# KiCad board MAXI030.kicad_pcb (continued)
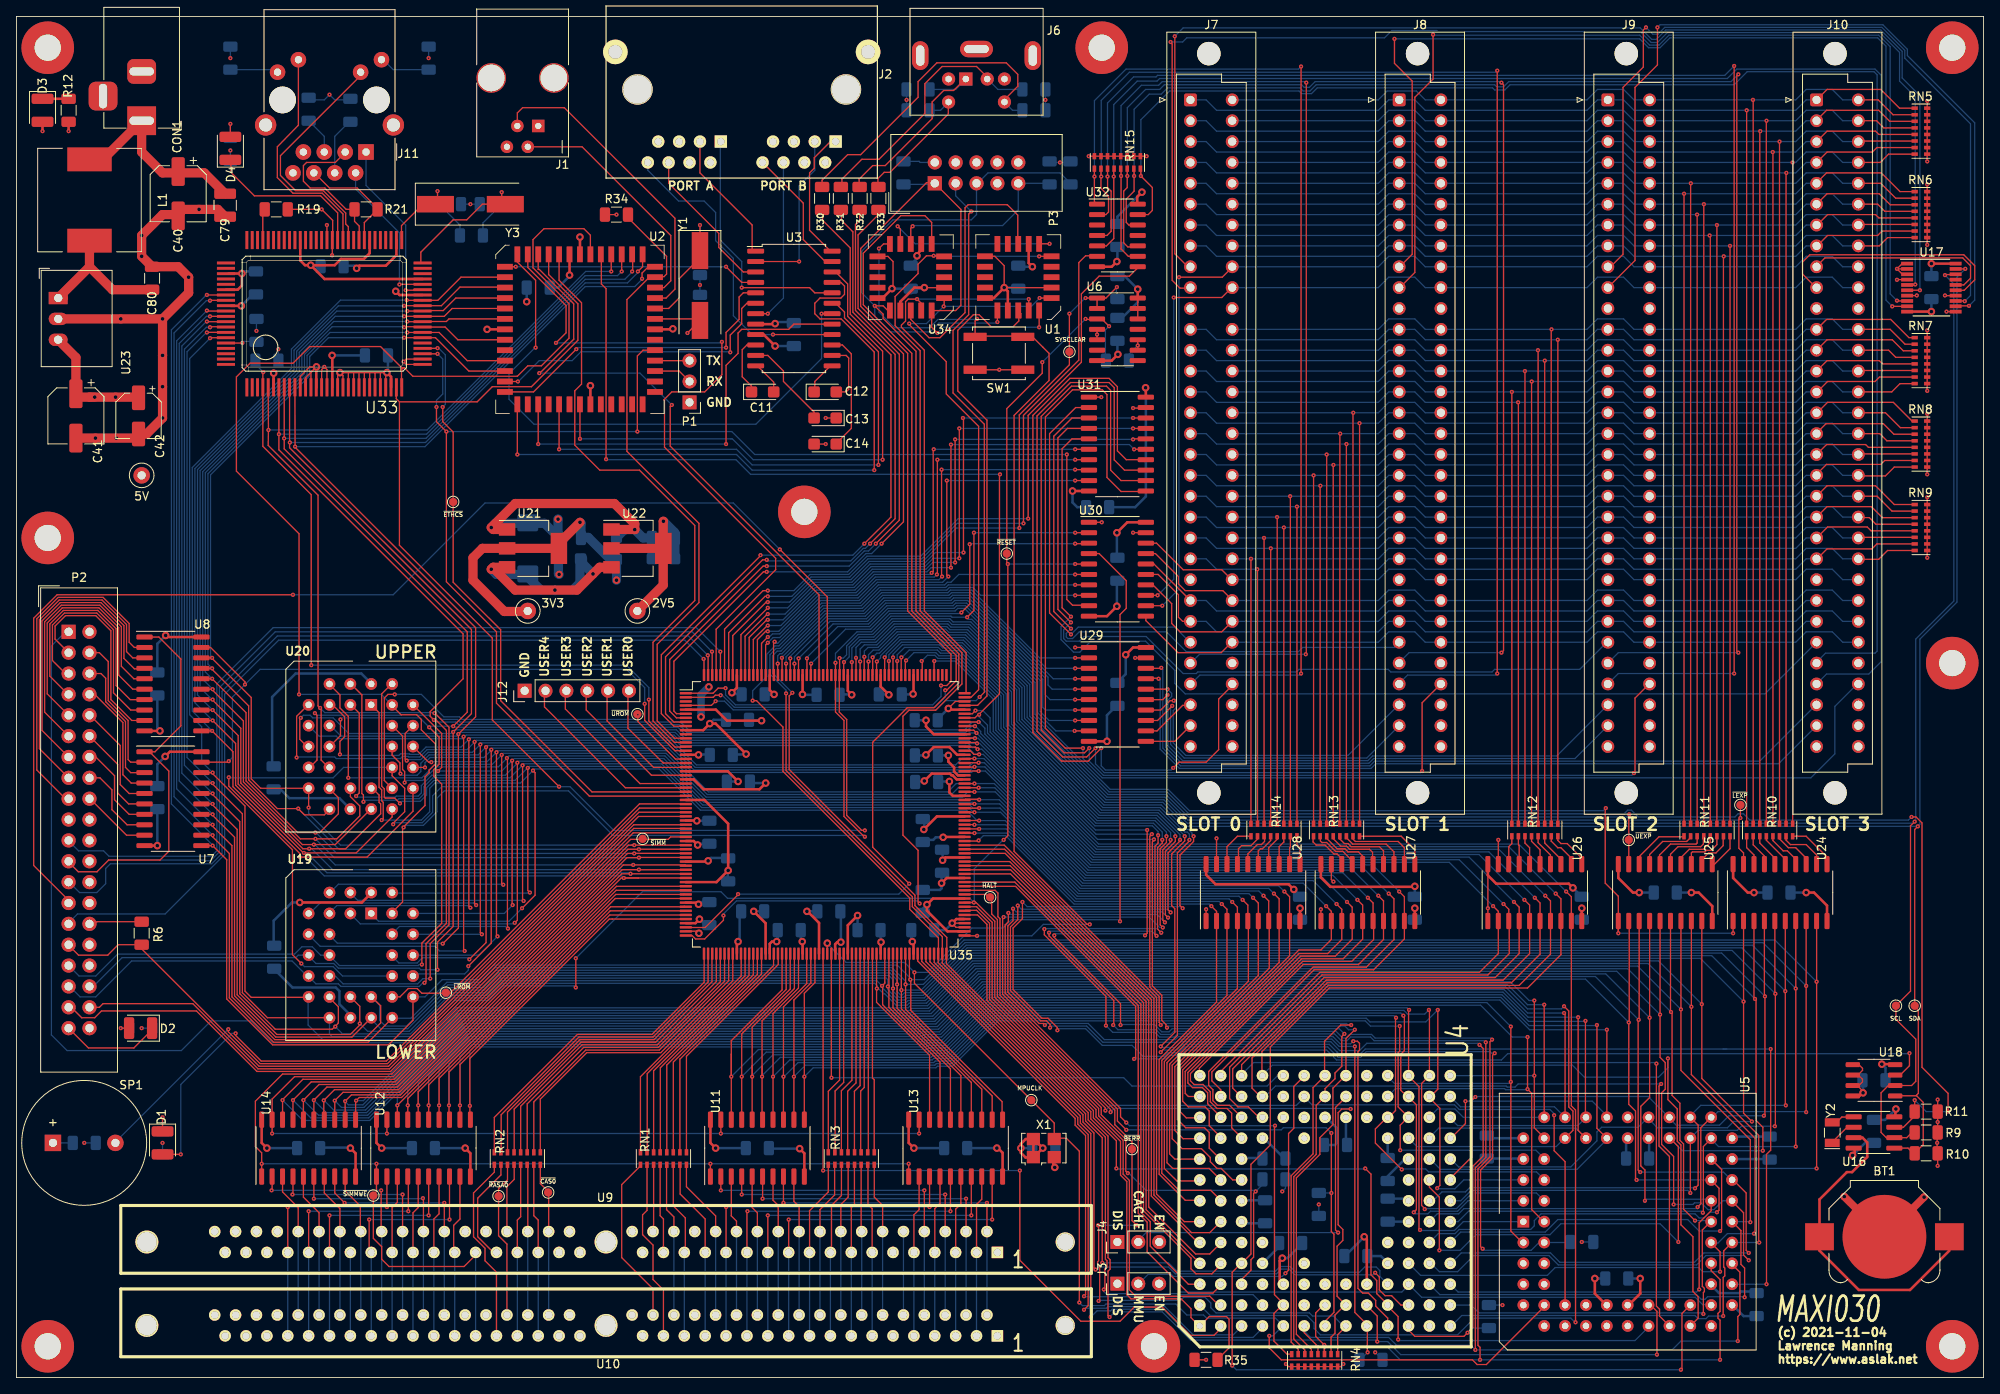
[diagram p0: board, top side]
## Routing (per net, layer and track width the routed paths; a pad name or vN(x,y) marks a point on that pad's centre or on a via; arc(x,y) is an arc through that point) (continued)
  Top w0.152: RN2.9 58.16,25.01 55.63,22.48 55.63,17.15 57.02,15.75 57.02,14.22 58.42,12.83 U10.45
~{RASA2}: length 20.7
  Top w0.152: U10.34 77.47,10.8 73.66,14.61 73.66,23.5 75.95,25.78
~{RASA3}: length 22.1
  Top w0.152: RN1.10 76.74,20.35 76.2,19.81 76.2,17.4 77.47,16.13 77.47,11.94 78.74,10.67 U10.33
~{RASB0}: length 8.5
  Top w0.152: 60.58,25.91 60.58,24.13 59.69,23.24 U9.44
~{RASB1}: length 13.1
  Top w0.152: RN2.10 58.96,24.67 56.13,21.84 56.13,17.15 58.17,15.11 58.42,15.11
~{RASB2}: length 8
  Top w0.152: RN1.11 77.54,18.23 77.34,18.03
~{RASB3}: length 11
  Top w0.152: 78.74,15.11 78.74,19.3 78.34,19.7 RN1.12
~{READ}: length 411.1
  Top w0.152: v1(66.04,71.95) 57.91,80.07 57.91,90.04 46.61,101.35 46.61,118.81 ; v1(45.85,67.37) 45.85,67.5 47.24,68.9 47.24,71.75 45.72,73.28 U20.24 ; v1(115.7,92.58) 116.52,93.41 v1(116.52,102.87) ; v1(208.92,54.1) 208.92,55.56 ; v1(25.84,73.09) 25.84,72.01 33.59,64.26 33.59,51.5 v1(34.67,50.42) ; 46.61,118.81 56.07,118.81 57.91,120.65 62.67,120.65 68.33,126.3 68.33,130.75 64.77,134.3 64.77,136.84 ; 46.61,118.81 46.23,119.19 46.23,119.48 46.24,119.5 U33.29 ; U35.207 v1(100.18,87.6) ; v1(103.25,66.62) 102.87,66.62 101.04,68.45 101.04,80.12 100.14,81.03 100.14,85.41 ; U30.2 v1(128.84,102.87) ; v1(193.42,69.34) 193.36,69.28 193.36,60.2 194.94,58.61 v1(194.94,54.1) U25.1
  Bottom w0.152: v1(25.84,73.09) 25.91,73.03 38.54,73.03 39.81,74.3 45.78,74.3 ; U19.24 39.69,48.9 38.54,50.04 35.05,50.04 v1(34.67,50.42) ; v1(45.85,67.37) 45.9,67.37 46.09,67.56 49.39,67.56 50.65,68.82 50.65,70.84 51.75,71.95 67.37,71.95 72.69,66.62 v1(103.25,66.62) ; v1(100.18,87.6) 100.62,87.6 101.03,88.01 101.03,89.09 102.43,90.49 104.2,90.49 106.43,92.71 113.73,92.71 113.86,92.58 115.63,92.58 115.89,92.33 116.27,92.33 123.95,84.65 123.95,80.77 133.1,71.63 140.14,71.63 142.75,69.02 193.1,69.02 v1(193.42,69.34) 193.36,69.28 ; v1(116.52,102.87) v1(128.84,102.87) ; v1(208.92,54.1) v1(194.94,54.1)
~{RESET}: length 385.3
  Top w0.152: v1(187.13,31.94) 187.13,27.62 188.47,26.29 U5.13 ; v1(120.65,99.06) 120.65,65.98 v1(120.14,65.47) ; v1(120.65,99.06) 120.59,99.06 ; v1(120.65,99.06) 120.52,99.19 120.52,117.98 124.84,122.3 v1(124.84,123.63) ; v1(68.07,51.05) v1(68.07,47.5) ; U6.3 132.08,128.91 v1(132.97,128.02) ; v1(130.11,128.91) 130.18,128.84 131.38,128.84 131.51,128.97 ; v1(116.52,57.85) 115.25,57.85 ; 115.48,57.85 115.46,57.83 U35.129 115.41,57.85 116.78,57.85 119.06,55.56 119.06,46.29 132.52,32.83 v1(132.52,32.51) ; U30.5 v1(128.84,99.06)
  Bottom w0.152: 156.72,34.16 157.67,33.21 175.01,33.21 175.58,32.64 186.63,32.64 187.13,32.13 v1(187.13,31.94) ; v1(68.07,47.5) 68.02,47.5 67.83,47.69 59.23,47.69 57.47,45.92 53.35,45.92 48.2,40.77 31.18,40.77 28.51,43.43 23.69,43.43 20.07,39.81 6.16,39.81 4.25,41.72 4.25,89.09 5.97,90.81 P2.1 ; v1(132.52,32.51) 133.16,33.15 155.77,33.15 156.72,34.1 ; v1(132.97,128.02) 132.52,127.57 132.52,124.21 132.78,123.95 ; v1(68.07,51.05) 76.17,59.16 85.74,59.16 86.54,58.36 116.01,58.36 v1(116.52,57.85) 116.57,57.89 116.57,61.96 120.08,65.47 v1(120.14,65.47) ; v1(128.84,99.06) v1(120.65,99.06) ; v1(124.84,123.63) v1(130.11,128.91)
~{RMC}: length 91.5
  Top w0.152: v1(98.17,25.21) 98.17,51.5 ; U4.B1 146.56,5.97 145.73,5.14 142.88,5.14 139.45,8.57 136.02,8.57 134.3,6.86 129.54,6.86 122.11,14.29 v1(122.11,25.21)
  Bottom w0.152: v1(122.11,25.21) v1(98.17,25.21)
~{SIMMWE}: length 192.1
  Top w0.152: U9.47 55.88,14.92 54.48,13.53 45.34,13.53 44.45,14.41 44.45,15.94 43.43,16.95 43.43,22.29 43.82,22.67 43.82,24.32 ; 29.85,26.1 v1(29.85,26.03) ; 29.85,26.1 29.85,27.37 29.08,28.13 29.08,33.66 32.39,36.96 45.69,36.96 75.06,66.33 U35.35 ; 29.85,26.1 U14.1 ; v1(84.46,26.03) 84.46,24.64 ; v1(108.59,26.03) 108.59,24.83 ; v1(43.82,26.03) 43.82,24.26 43.75,24.19 ; 81.47,66.36 81.53,66.29
  Bottom w0.152: v1(108.59,26.03) v1(84.46,26.03) v1(43.82,26.03) v1(29.85,26.03) ; U10.47 U9.47
~{SIMM}: length 151.1
  Top w0.152: 31.12,31.94 31.12,33.91 33.85,36.64 45.85,36.64 74.74,65.53 79.31,65.53 79.61,65.83 U35.36 ; v1(85.73,29.72) 85.73,31.24 ; v1(109.86,29.72) 109.86,31.62 ; U14.19 v1(31.12,29.72) ; U12.19 v1(45.09,29.72)
  Bottom w0.152: v1(109.86,29.72) v1(85.73,29.72) v1(45.09,29.72) v1(31.12,29.72)
~{STERM}: length 162.3
  Top w0.152: v1(135.06,30.16) 133.99,31.24 133.99,32.7 120.02,46.67 120.02,55.94 v1(120.14,56.07) ; U4.G1 159.26,6.86 160.34,7.94 160.34,17.46 160.02,17.78 v1(160.02,22.48) v1(160.02,29.78) ; v1(107.19,87.25) 107.18,87.24 107.18,85.54 ; v1(139.51,54.8) 139.19,55.12 139.19,64.39 139.95,65.15 v1(139.95,65.91)
  Bottom w0.152: v1(135.06,30.16) 153.92,30.16 154.18,30.42 159.38,30.42 v1(160.02,29.78) ; v1(107.19,87.25) 107.19,88.01 108.08,88.9 112.2,88.9 112.59,88.52 114.74,88.52 120.14,83.12 120.14,79.18 131.51,67.82 138.56,67.82 139.95,66.42 v1(139.95,65.91) ; v1(139.51,54.8) 139.13,54.8 137.86,56.07 v1(120.14,56.07) ; R29.2 v1(160.02,22.48)
~{UCSE0}: length 46.4
  Top w0.152: v1(96.71,86.93) 96.68,86.9 U35.214 ; v1(128.78,78.74) 130.49,78.74
  Bottom w0.152: v1(128.78,78.74) 126.49,78.74 124.27,80.96 124.27,84.77 115.38,93.66 114.55,93.66 114.24,93.34 106.17,93.34 103.95,91.12 100.9,91.12 v1(96.71,86.93)
~{UCSE1}: length 47.6
  Top w0.152: U35.217 95.18,87.56 v1(95.19,87.57) ; 130.56,81.34 130.49,81.28 v1(128.84,81.28)
  Bottom w0.152: v1(128.84,81.28) 125.22,81.28 124.9,81.6 124.9,85.03 115.63,94.3 114.3,94.3 113.98,93.98 105.92,93.98 103.7,91.76 99.38,91.76 v1(95.19,87.57)
~{UCSE2}: length 46.5
  Top w0.152: v1(128.84,83.82) 130.3,83.82 ; v1(94.17,87.57) 94.18,87.56 U35.219
  Bottom w0.152: v1(94.17,87.57) 94.17,87.82 98.74,92.39 103.44,92.39 105.66,94.62 113.73,94.62 114.05,94.93 115.89,94.93 125.54,85.28 125.54,84.33 126.05,83.82 v1(128.84,83.82)
~{UCSE3}: length 46.3
  Top w0.152: v1(93.15,87.63) 93.18,87.61 U35.221 ; v1(128.84,86.36) 130.18,86.36
  Bottom w0.152: v1(93.15,87.63) 93.15,87.69 98.49,93.03 103.19,93.03 105.41,95.25 113.47,95.25 113.79,95.57 116.14,95.57 125.35,86.36 v1(128.84,86.36)
~{UEXP}: length 117.6
  Top w0.152: 196.22,62.48 196.22,68.52 v1(196.28,68.58) ; U35.204 101.68,87.11 v1(101.66,87.12)
  Bottom w0.152: v1(196.28,68.58) 195.96,68.26 142.62,68.26 139.89,70.99 132.84,70.99 123.32,80.52 123.32,84.39 116.01,91.69 113.86,91.69 113.47,92.08 106.68,92.08 104.46,89.85 102.68,89.85 101.66,88.84 v1(101.66,87.12)
~{UROM}: length 52.3
  Top w0.152: U20.22 44.77,72.71 44.77,82.74 45.21,83.19 v1(46.04,83.19) ; v1(75.63,80.71) 75.63,79.88 80.2,75.31 81.22,75.31
  Bottom w0.152: v1(46.04,83.19) 49.28,83.19 52.01,80.45 53.91,80.45 54.23,80.14 75.12,80.14 75.63,80.65 v1(75.63,80.71)
~{WAITE}: length 82.8
  Top w0.152: v1(122.56,104.01) 122.56,117.16 129.29,123.89 129.29,135.76 130.11,136.59 130.68,136.59 ; 86.68,85.54 86.68,90.69 91.11,95.12 v1(91.44,95.12)
  Bottom w0.152: v1(122.56,104.01) 114.49,104.01 110.17,99.69 103.63,99.69 101.41,97.47 96.71,97.47 94.36,95.12 v1(91.44,95.12)
~{WRITE}: length 283.1
  Top w0.152: v1(99.68,87.04) U35.208 99.68,81.05 100.71,80.01 100.71,68.33 103.02,66.01 103.09,66.01 v1(103.25,65.85) ; 46.86,122.75 47.08,122.96 47.2,122.96 ; 46.86,122.75 46.86,120.6 U33.30 ; 46.86,122.75 46.86,122.93 46.89,122.96 ; U20.31 46.08,81.91 ; v1(115,93.15) 116.01,94.17 v1(116.01,101.47) ; 47.2,122.96 48.24,121.92 60.96,121.92 62.23,123.19 63.88,123.19 67.25,126.56 67.25,130.75 62.87,135.13 62.87,138.56 64.2,139.89 69.06,139.89 69.85,139.1 69.85,136.72 ; 47.2,122.96 46.89,122.96 ; 46.89,122.96 44.31,125.54 35.69,125.54 33.66,123.51 32,123.51 ; 130.43,101.66 130.3,101.54 v1(128.84,101.54) ; 32,123.51 31.88,123.51 ; 32,123.51 28.44,123.51 26.77,121.84 26.77,110.36 34.39,102.74 v1(34.39,83.19) ; 45.78,81.72 46.8,80.71 48.7,80.71 49.28,80.14 49.28,78.87 50.99,77.15 50.99,74.68 50.86,74.55 50.8,74.55 50.23,73.98 50.23,73.66 49.72,73.15 49.72,69.66 46.99,66.93 46.99,57.91 45.59,56.52 U19.31
  Bottom w0.152: v1(47.12,66.99) 47.37,67.25 49.53,67.25 51.18,68.9 51.18,70.55 52.07,71.44 67.18,71.44 72.61,66.01 103.09,66.01 v1(103.25,65.85) ; v1(128.84,101.54) 116.08,101.54 v1(116.01,101.47) ; 45.72,81.86 44.4,83.19 v1(34.39,83.19) ; v1(115,93.15) 114.87,93.03 106.3,93.03 104.08,90.81 102.3,90.81 99.68,88.18 v1(99.68,87.04)
Net-(BT1-Pad1): length 38.6
  Top w0.305: 235.2,17.08 235.2,15.43 230.44,10.67 224.22,10.67 219.43,15.46 BT1.1 219.43,21.69 222.76,25.02 223.39,25.02 225.23,26.86 225.23,28.64 224.66,29.21 224.22,29.21
Net-(C9-Pad1): length 17.2
  Top w0.152: Y1.1 83.19,137.16 ; 83.19,137.16 v1(83.19,140.34) ; 83.19,137.16 83.19,136.33 80.65,133.79 80.65,131.44 79.38,130.18 77.47,130.18
  Bottom w0.152: 82.93,136.78 82.8,136.65 ; C9.1 v1(83.19,140.34)
Net-(C10-Pad1): length 11.1
  Top w0.152: 82.93,127.63 82.3,127 ; 82.87,128.27 83.06,128.08 ; U2.41 83.19,128.91 ; v1(81.66,127.19) 83.19,128.71 Y1.2
  Bottom w0.152: v1(81.66,127.19) 83.19,128.71 83.19,128.91
Net-(C11-Pad1): length 7.7
  Top w0.152: 90.17,125.73 88.9,125.73 88.33,125.16 88.33,121.86 89.46,120.73 C11.1
Net-(C11-Pad2): length 4
  Top w0.152: C11.2 92.16,121.21 90.17,123.19
Net-(C12-Pad1): length 4.2
  Top w0.152: U3.13 99.06,123.19 97.16,121.28 97.16,120.02
Net-(C12-Pad2): length 7.2
  Top w0.152: 99.78,120.02 100.97,120.02 101.28,120.33 101.28,124.14 100.97,124.46 99.7,124.46
Net-(C13-Pad2): length 11.4
  Top w0.152: C13.2 97.08,117.56 93.34,121.28 93.34,122.56 91.44,124.46 90.17,124.46 ; 89.65,124.46 89.85,124.46
Net-(C14-Pad1): length 14.6
  Top w0.152: 99.06,125.73 100.52,125.73 101.6,124.65 101.6,115.57 99.78,113.75
Net-(C40-Pad1): length 24.4
  Top w1.118: 19.69,146.69 17.78,146.69 15.24,149.22 CON1.1 10.54,148.33 8.89,148.33 ; C79.1 22.86,146.69 19.85,146.69 C40.1
Net-(C57-Pad2): length 14.5
  Top w0.152: 50.36,142.88 49.47,142.88 46.86,140.27 46.86,138.62 ; v1(51.24,144.46) 51.24,142.62
  Bottom w0.152: 51.31,144.4 51.24,144.34 51.24,142.94 C57.2 ; R18.2 53.98,140.34 51.44,142.88
Net-(C58-Pad2): length 21
  Top w0.152: v1(59.06,144.34) 59.06,142.88 ; 49.21,135.83 49.21,137.03 53.15,140.97 54.8,140.97 56.71,142.88 58.86,142.88
  Bottom w0.152: R18.1 56.78,140.59 59.06,142.88 ; v1(59.06,144.34) 59.06,142.81
Net-(C59-Pad1): length 7.1
  Bottom w0.152: 40.64,153.03 38.74,151.13 J11.R4
Net-(C60-Pad1): length 4.6
  Bottom w0.152: C60.1 37.47,151.13 J11.R5
Net-(C80-Pad1): length 18
  Top w1.118: 8.89,135.25 U23.1 5.72,131.44 ; 8.89,135.25 11.69,132.46 C80.1 ; 8.89,135.25 L1.2
Net-(D1-Pad1): length 3.4
  Top w0.152: v1(17.78,31.69) R3.2
  Bottom w0.152: R3.2 v1(17.78,31.69)
Net-(D2-Pad1): length 12.3
  Top w0.152: P2.39 8.76,40.13 14.29,40.13 16.7,42.55
Net-(D2-Pad2): length 2.3
  Top w0.152: D2.2 v1(12.7,42.55) ; 13.84,42.61 13.84,42.61
  Bottom w0.152: v1(12.7,42.55) 13.97,42.55
Net-(D3-Pad1): length 2.7
  Top w0.305: D3.1 5.85,155.71
Net-(D4-Pad1): length 20
  Top w0.152: 26.1,148.21 26.1,146.75 28.96,143.89 37.02,143.89 39.09,141.82 U33.63 ; 25.17,148.04 25.27,148.15
Net-(D4-Pad2): length 3.3
  Top w0.152: D4.2 v1(26.04,152.65)
  Bottom w0.152: v1(26.04,152.65) R22.2
Net-(J1-Pad2): length 29.5
  Top w0.152: J1.2 68.83,149.86 79.63,139.06 79.63,133.54 78.8,132.72 77.85,132.72
Net-(J1-Pad3): length 38
  Top w0.152: 60.96,152.46 60.96,153.99 61.6,154.62 66.68,154.62 80.14,141.16 80.14,132.52 79.06,131.44 U2.43
Net-(J6-Pad1): length 25
  Top w0.152: J6.1 115.44,158.12 114.05,156.72 112.84,156.72 111.44,155.32 111.44,153.29 105.73,147.57 104.2,147.57 102.55,145.92 102.55,145.41 ; 102.81,144.91 102.55,145.16
  Bottom w0.152: 115.51,158.05 114.3,156.84 R16.1
Net-(J6-Pad2): length 31.8
  Top w0.152: J6.2 118.05,158.12 118.05,158.43 116.84,159.64 112.65,159.64 110.55,157.54 110.55,153.92 104.97,148.34 102.87,148.34 100.46,145.92 100.46,145.35 ; 100.46,145.22 100.33,145.35
  Bottom w0.152: R14.1 119.44,156.84 118.17,158.12
Net-(J6-Pad5): length 17.3
  Top w0.152: 113.44,154.84 J6.5 ; 104.84,145.29 104.84,145.99 105.6,146.75 106.3,146.75 113.41,153.86 113.41,155.38
  Bottom w0.152: 113.41,155.26 112.46,154.31 R15.1 111.06,154.31
Net-(J6-Pad6): length 39.4
  Top w0.152: R30.2 98.04,145.8 101.16,148.91 102.74,148.91 109.73,155.89 109.73,157.8 112.01,160.08 120.46,160.08 121.86,158.69 121.86,157.23 120.24,155.61 J6.6 ; 97.92,145.22 98.36,145.22
  Bottom w0.152: 122.56,154.31 121.22,154.31 120.27,155.26
Net-(J11-PadL1): length 5.9
  Bottom w0.152: R24.1 31.25,159.25 31.75,158.75
Net-(J11-PadL2): length 28.4
  Top w0.152: U33.62 39.74,141.68 37.21,144.21 33.66,144.21 31.75,146.11 31.75,149.86 34.23,152.4 34.32,152.49 34.32,160.47
Net-(J11-PadL3): length 29.8
  Top w0.152: 41.78,158.88 41.78,158.43 32.13,148.78 32.13,146.37 33.97,144.53 37.34,144.53 40.07,141.8 40.07,140.46 40.39,140.14 U33.61
Net-(J11-PadL4): length 6.3
  Bottom w0.152: R23.1 45.85,159.25 44.45,160.66
Net-(J11-PadR1): length 20.9
  Top w0.152: v1(47.37,132.4) 48.32,132.4 48.38,132.47 U33.45
  Bottom w0.152: J11.R1 42.55,145.16 47.37,140.34 v1(47.37,132.4)
Net-(J11-PadR2): length 18.6
  Top w0.152: U33.46 46.63,133.12 v1(46.61,133.1)
  Bottom w0.152: v1(46.61,133.1) 46.61,139.38 41.28,144.72 J11.R2
Net-(J11-PadR3): length 19.8
  Top w0.152: 41.21,142.24 40.13,142.24 37.53,144.84 35.75,144.84 34.93,145.67 34.93,147.57 35.31,147.96 38.8,147.96 40.01,149.16 ; R21.1 40.64,142.24 ; U33.59 41.72,138.53 41.72,140.21 41.15,140.78 41.15,142.24
Net-(J11-PadR6): length 14
  Top w0.152: 36.2,146.24 J11.R6 36.26,146.69 38.1,144.84 41.47,144.84 43.82,142.49 ; 43.82,142.11 42.34,140.64 U33.58
Net-(P1-Pad2): length 4.7
  Top w0.152: U2.36 80.65,122.56 P1.2
Net-(P1-Pad3): length 4.2
  Top w0.152: U2.37 81.92,123.83
Net-(R2-Pad2): length 2.4
  Bottom w0.152: R2.2 SP1.1
Net-(R17-Pad2): length 3.6
  Top w0.152: v1(27.5,125.98) 27.48,125.97 U33.96
  Bottom w0.152: 29.02,126.17 27.69,126.17 v1(27.5,125.98)
Net-(R19-Pad2): length 3.8
  Top w0.152: 29.98,142.24 29.98,138.43 29.97,138.43
Net-(RN1-Pad1): length 28.7
  Top w0.152: 92.71,51.5 92.71,50.29 81.54,39.12 RN1.1
Net-(RN1-Pad2): length 28.7
  Top w0.152: RN1.2 80.74,38.77 92.14,50.17 92.14,51.44
Net-(RN1-Pad3): length 28.5
  Top w0.152: 79.95,27.56 79.95,38.42 90.68,49.15 90.68,51.62
Net-(RN1-Pad4): length 28.6
  Top w0.152: RN1.4 79.14,38.06 90.17,49.09 90.17,51.44
Net-(RN1-Pad5): length 28.7
  Top w0.152: 78.36,27.56 78.36,37.72 89.68,49.03 89.68,51.62
Net-(RN1-Pad6): length 28.8
  Top w0.152: RN1.6 77.54,37.34 89.15,48.96 89.15,51.37
Net-(RN1-Pad7): length 29.2
  Top w0.152: 88.68,51.62 88.68,48.92 76.77,37.02 76.77,27.37
Net-(RN1-Pad8): length 28.9
  Top w0.152: RN1.8 75.94,36.63 88.2,48.9 88.2,51.24
Net-(RN2-Pad1): length 39.2
  Top w0.152: 63.75,27.37 63.75,33.91 69.41,39.56 78.42,39.56 87.18,48.31 87.18,51.62
Net-(RN2-Pad2): length 39.1
  Top w0.152: RN2.2 62.96,33.56 69.28,39.88 78.23,39.88 86.68,48.32 86.68,51.5
Net-(RN2-Pad3): length 39.3
  Top w0.152: 62.23,27.62 62.17,27.69 62.17,33.34 69.02,40.2 78.11,40.2 86.18,48.27 86.18,51.62
Net-(RN2-Pad4): length 39.4
  Top w0.152: RN2.4 61.36,33.04 68.83,40.51 77.98,40.51 85.66,48.2 85.66,51.37
Net-(RN2-Pad5): length 39.8
  Top w0.152: 85.18,51.62 85.18,48.22 77.79,40.83 68.71,40.83 60.58,32.7 60.58,27.37
Net-(RN2-Pad6): length 39.6
  Top w0.152: 84.71,51.44 84.65,51.37 84.65,48.2 77.6,41.15 68.58,41.15 59.76,32.33 RN2.6
Net-(RN2-Pad7): length 39.9
  Top w0.152: 84.18,51.62 84.18,48.17 77.47,41.47 68.45,41.47 58.99,32 58.99,27.43
Net-(RN2-Pad8): length 40
  Top w0.152: 83.69,51.56 83.69,48.13 77.34,41.78 68.26,41.78 58.16,31.68 RN2.8
Net-(RN3-Pad1): length 24.3
  Top w0.152: 104.39,27.37 104.39,36.26 104.18,36.48 U35.102
Net-(RN3-Pad2): length 24.4
  Top w0.152: 103.63,27.24 103.68,27.28 U35.101
Net-(RN3-Pad3): length 24.5
  Top w0.152: 103.19,51.63 103.25,51.69 ; 102.74,27.56 102.74,27.5 102.74,34.89 103.18,35.33 U35.100
Net-(RN3-Pad4): length 24.5
  Top w0.152: 101.98,27.5 101.98,27.43 101.98,34.86 102.68,35.56 U35.99
Net-(RN3-Pad5): length 24.7
  Top w0.152: U35.98 102.18,35.88 101.16,34.86 101.16,27.37
Net-(RN3-Pad6): length 24.7
  Top w0.152: U35.97 101.68,36.21 100.39,34.92 100.39,27.43
Net-(RN3-Pad7): length 24.7
  Top w0.152: 99.63,27.37 99.63,34.89 100.68,35.94 U35.95
Net-(RN3-Pad8): length 24.8
  Top w0.152: U35.94 100.18,36.23 98.81,34.86 98.81,27.43
Net-(RN10-Pad1): length 3.5
  Top w0.152: 211.46,62.74 211.46,63.63 210.56,64.52 RN10.1
Net-(RN10-Pad2): length 4
  Top w0.152: U24.17 212.72,63.5 211.36,64.87 RN10.2
Net-(RN10-Pad3): length 3.2
  Top w0.152: RN10.3 212.16,65.08 213.87,63.37
Net-(RN10-Pad4): length 3.6
  Top w0.152: RN10.4 212.96,65.42 215.14,63.25
Net-(RN10-Pad5): length 4.2
  Top w0.152: 216.53,63.12 215.52,64.14 215.01,64.14 213.76,65.39 RN10.5
Net-(RN10-Pad6): length 4.6
  Top w0.152: 217.68,63.12 217.68,63.37 216.53,64.52 215.65,64.52 214.56,65.6 RN10.6
Net-(RN10-Pad7): length 5.6
  Top w0.152: 218.95,62.99 219.08,63.12 219.08,63.63 217.81,64.9 215.9,64.9 215.36,65.44 RN10.7
Net-(RN10-Pad8): length 5.7
  Top w0.152: 220.34,62.87 220.34,63.37 217.8,65.92 RN10.8
Net-(RN11-Pad1): length 6.4
  Top w0.152: 202.88,65.85 199.9,65.85 197.49,63.44
Net-(RN11-Pad2): length 7.1
  Top w0.152: U25.17 198.75,63.69 200.34,65.28 203.26,65.28 203.77,65.79
Net-(RN11-Pad3): length 7.3
  Top w0.152: RN11.3 204.54,65.09 204.41,64.96 201.3,64.96 199.96,63.63 199.96,62.55 200.09,62.42
Net-(RN11-Pad4): length 6.8
  Top w0.152: 205.3,66.04 205.3,64.96 204.98,64.64 202.22,64.64 201.3,63.72 201.3,62.52
Net-(RN11-Pad5): length 6.1
  Top w0.152: 202.56,62.8 U25.14 202.56,63.31 203.58,64.33 205.3,64.33 206.12,65.15 206.12,65.85
Net-(RN11-Pad6): length 5.7
  Top w0.152: RN11.6 206.94,64.89 206.25,64.2 205.68,64.2 205.49,64.01 203.96,64.01 203.84,63.88 203.84,62.87 203.84,62.99
Net-(RN11-Pad7): length 4.9
  Top w0.152: 207.71,65.85 207.71,64.77 206.82,63.88 205.93,63.88 205.11,63.06 U25.12
Net-(RN11-Pad8): length 4.6
  Top w0.152: RN11.8 208.54,64.4 206.63,62.48 206.25,62.48
Net-(RN12-Pad1): length 3.3
  Top w0.152: 181.61,62.74 181.61,64.64 181.99,65.02 RN12.1
Net-(RN12-Pad2): length 3.3
  Top w0.152: RN12.2 182.79,64.87 182.88,64.77 182.88,62.61
Net-(RN12-Pad3): length 3.5
  Top w0.152: 184.15,62.87 184.15,62.74 184.15,64.52 183.59,65.08 RN12.3
Net-(RN12-Pad4): length 3.6
  Top w0.152: RN12.4 184.38,65.3 185.42,64.26 185.42,62.74
Net-(RN12-Pad5): length 4.1
  Top w0.152: 186.69,62.48 186.69,63.63 185.19,65.13 RN12.5
Net-(RN12-Pad6): length 3.9
  Top w0.152: RN12.6 185.99,65.09 187.96,63.12 187.96,62.87
Net-(RN12-Pad7): length 3.9
  Top w0.152: 189.23,63.25 187.96,64.52 187.58,64.52 186.79,65.31 RN12.7
Net-(RN12-Pad8): length 4.1
  Top w0.152: 190.37,63.37 188.72,65.02 187.96,65.02 187.59,65.4 RN12.8
Net-(RN13-Pad1): length 5.7
  Top w0.152: 157.8,65.91 157.8,65.21 158.18,64.83 159.26,64.83 160.34,63.75 160.72,63.75 161.29,63.18 U27.18
Net-(RN13-Pad2): length 5.9
  Top w0.152: 158.69,65.91 158.69,65.34 158.88,65.15 159.45,65.15 160.53,64.07 161.42,64.07 162.56,62.93 U27.17
Net-(RN13-Pad3): length 6.5
  Top w0.152: 159.51,65.91 159.51,65.6 160.72,64.39 161.67,64.39 162.05,64.01 163.32,64.01 163.83,63.5 U27.16
Net-(RN13-Pad4): length 6.8
  Top w0.152: RN13.4 160.25,65.61 161.16,64.71 161.86,64.71 162.24,64.33 164.66,64.33 165.04,63.94 165.04,62.93
Net-(RN13-Pad5): length 7.5
  Top w0.152: 166.37,62.93 166.37,64.14 165.86,64.64 162.43,64.64 162.05,65.02 161.61,65.02 161.06,65.58 RN13.5
Net-(RN13-Pad6): length 8
  Top w0.152: RN13.6 161.86,65.73 162.62,64.96 166.69,64.96 167.64,64.01 167.64,62.74
Net-(RN13-Pad7): length 9
  Top w0.152: U27.12 168.91,64.52 168.15,65.28 162.94,65.28 162.69,65.53 162.69,65.91
Net-(RN13-Pad8): length 8.6
  Top w0.152: 170.18,63.12 170.18,64.26 168.53,65.92 RN13.8
Net-(RN14-Pad1): length 5.6
  Top w0.152: 150.24,65.91 148.59,65.91 147.32,64.64 U28.18
Net-(RN14-Pad2): length 4.6
  Top w0.152: 148.72,62.99 148.72,64.39 149.1,64.77 150.24,64.77 151.04,65.56 RN14.2
Net-(RN14-Pad3): length 4.7
  Top w0.152: U28.16 149.86,63.75 151,64.9 151.51,64.9 151.89,65.28 151.89,66.04
Net-(RN14-Pad4): length 4.1
  Top w0.152: RN14.4 152.63,65.39 151.64,64.39 151.38,64.39 151.13,64.14 151.13,62.61
Net-(RN14-Pad5): length 3.6
  Top w0.152: 152.4,62.74 152.4,64.52 153.44,65.55 153.44,65.92
Net-(RN14-Pad6): length 3
  Top w0.152: 153.67,63.12 153.67,64.64 154.24,65.21 RN14.6
Net-(RN14-Pad7): length 3
  Top w0.152: RN14.7 155.04,64.61 154.94,64.52 154.94,62.99
Net-(RN14-Pad8): length 3.1
  Top w0.152: 156.21,62.99 156.21,64.52 155.84,64.89 RN14.8
Net-(U1-Pad9): length 23
  Top w0.152: v1(125.73,138.05) 124.59,138.05 124.46,137.92 ; 107.57,138.03 107.57,139.85 v1(107.24,140.18)
  Bottom w0.152: v1(107.24,140.18) 109.37,138.05 v1(125.73,138.05)
Net-(U1-Pad11): length 33.2
  Top w0.152: 108.71,129.8 U34.1 108.84,128.84 111.06,126.62 112.4,126.62 115.44,129.67 115.44,142.43 115.82,142.81 120.59,142.81 121.86,141.54 121.86,138.24
Net-(U2-Pad7): length 69.1
  Top w0.152: v1(97.98,129.54) 99.27,129.54 ; v1(63.18,125.41) 63.18,133.6 60.96,135.83 60.96,136.53
  Bottom w0.152: v1(63.18,125.41) 63.12,125.41 59.94,122.24 59.94,119.13 62.99,116.08 89.98,116.08 97.98,124.08 v1(97.98,129.54)
Net-(U2-Pad8): length 31.6
  Top w0.152: U2.8 v1(60.77,135.25) ; v1(86.36,135.25) 88.27,133.35 90.23,133.35
  Bottom w0.152: v1(60.77,135.25) v1(86.36,135.25)
Net-(U2-Pad19): length 36.8
  Top w0.152: 89.97,130.81 88.9,130.81 88.27,130.18 88.27,128.33 86.87,126.94 v1(86.87,124.84) ; v1(61.02,121.28) U2.19
  Bottom w0.152: v1(61.02,121.28) 61.09,121.28 63.63,123.83 67.63,123.83 68.71,124.9 86.8,124.9 v1(86.87,124.84)
Net-(U2-Pad20): length 38.3
  Top w0.152: v1(86.36,125.41) 86.36,127.25 87.95,128.84 87.95,131.57 88.46,132.08 90.04,132.08 ; U2.20 62.93,120.02 v1(68.14,125.22)
  Bottom w0.152: v1(68.14,125.22) 68.33,125.41 v1(86.36,125.41)
Net-(U2-Pad21): length 81.5
  Top w0.152: 99.7,133.35 100.33,133.35 100.77,132.91 100.77,131.89 100.33,131.44 97.79,131.44 97.16,130.81 97.16,129.54 97.79,128.91 100.36,128.91 104.39,124.87 v1(104.39,110.49) ; U2.21 v1(60.96,112.4)
  Bottom w0.152: v1(60.96,112.4) 87.63,112.4 89.54,110.49 v1(104.39,110.49)
Net-(U2-Pad23): length 53.3
  Top w0.152: U3.17 94.62,128.27 93.98,127.63 88.27,127.63 87.82,127.19 87.82,124.71 86.36,123.25 v1(86.36,113.66) ; v1(63.5,113.66) 63.5,118.11
  Bottom w0.152: v1(86.36,113.66) v1(63.5,113.66)
Net-(U2-Pad25): length 67.8
  Top w0.152: 66.04,119.38 U2.25 v1(66.04,113.03) ; 99.7,130.81 100.77,129.73 100.77,129.03 104.9,124.9 v1(104.9,111.12)
  Bottom w0.152: v1(66.04,113.03) 87.63,113.03 89.54,111.12 v1(104.9,111.12)
Net-(U2-Pad27): length 67.4
  Top w0.152: 99.7,134.62 101.16,133.16 101.16,129.22 105.41,124.97 v1(105.41,111.76) ; U2.27 v1(68.58,114.3)
  Bottom w0.152: 86.93,114.3 87.12,114.3 89.66,111.76 v1(105.41,111.76) ; 87,114.3 v1(68.58,114.3)
Net-(U18-Pad1): length 2.8
  Top w0.152: 223.47,31.72 222.15,31.72 221.5,31.08 Y2.2
Net-(U18-Pad2): length 3.4
  Top w0.152: U18.2 222.78,30.48 220.93,28.63

## Copper pours and planes (outline as drawn; the poured copper is in the pictures)
+2V5 on Vcc.Cu: 111.44,55.63 85.47,55.63 85.47,81.15 111.44,81.15
+3V3 on Vcc.Cu: 114.68,52.32 82.23,52.32 82.23,52.26 82.17,52.32 82.17,84.84 114.68,84.84
+5VD on Vcc.Cu: 238.76,0.64 0.64,0.64 0.64,165.1 238.76,165.1
GNDA on GND..Cu: 238.76,0.64 0.64,0.64 0.64,165.1 238.76,165.1

## Text on the board
F.Silkscreen: TX | RX | GND | PORT A | PORT B | USER4 | USER3 | USER2 | USER1 | USER0 | DIS | MMU | EN | CACHE | (c) 2021-11-04 / Lawrence Manning / https://www.aslak.net | SLOT 0 | SLOT 1 | SLOT 2 | SLOT 3 | UPPER | LOWER | MAXI030
